# Altium PCB PCB2.PcbDoc (part 15 of 16) (continued)
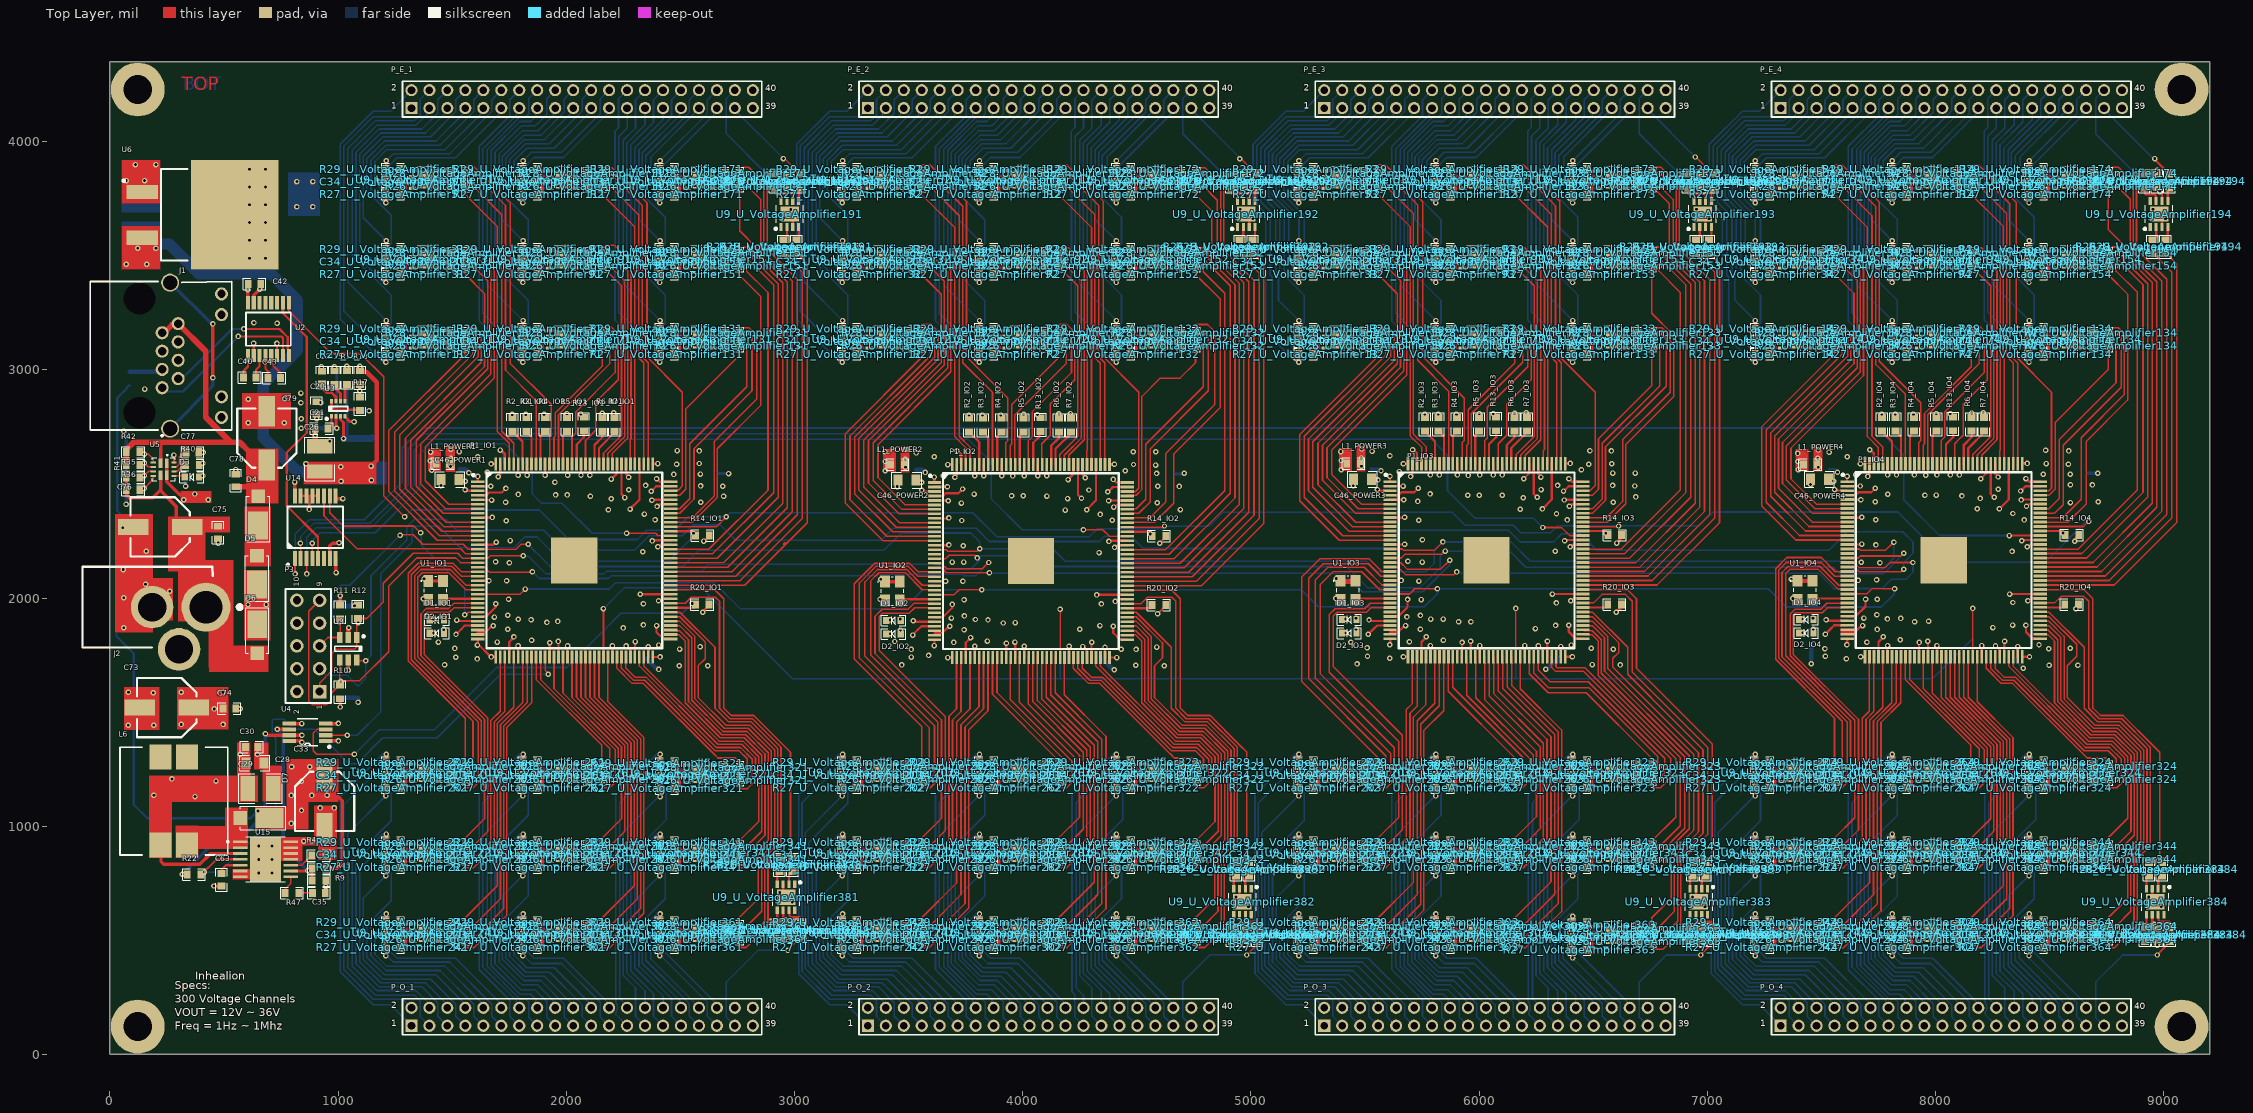
[diagram p0: Top Layer view]
## Nets (pads, with @x,y where several pads share a name; then routed paths per layer and width w, separated by ;. In a path a pad name is that pad's centre, name@x,y a point inside that pad or via, vN(x,y) a via of type N, cw(c..) or ccw(c..) an arc to the next point about the centre after c; other vN are vias at no path point) (continued)
; C34_U_VoltageAmplifier382.1@4969.95,551.98 C34_U_VoltageAmplifier382.1@4972.67,551.98 C34_U_VoltageAmplifier382.1@4969.95,551.98 ; C34_U_VoltageAmplifier192.1@4972.57,3799.2 C34_U_VoltageAmplifier192.1@4969.85,3799.2 C34_U_VoltageAmplifier192.1@4972.57,3799.2 ; C34_U_VoltageAmplifier192.1@4972.57,3799.2 v1@4992.44,3779.33 ; C34_U_VoltageAmplifier192.1@4972.57,3799.2 v1@4992.44,3779.33 ; C34_U_VoltageAmplifier243.1@5267.65,524.18 C34_U_VoltageAmplifier243.1@5267.65,526.9 ; C34_U_VoltageAmplifier243.1@5267.65,524.18 C34_U_VoltageAmplifier243.1@5267.65,526.9 ; C34_U_VoltageAmplifier243.1@5267.65,524.18 C34_U_VoltageAmplifier243.1@5267.65,526.9 ; C34_U_VoltageAmplifier243.1@5267.65,526.9 v1@5287.52,546.77 ; C34_U_VoltageAmplifier243.1@5267.65,526.9 v1@5287.52,546.77 ; C34_U_VoltageAmplifier243.1@5267.65,526.9 v1@5287.52,546.77 ; C34_U_VoltageAmplifier223.1@5267.65,874.18 C34_U_VoltageAmplifier223.1@5267.65,876.9 ; C34_U_VoltageAmplifier223.1@5267.65,874.18 C34_U_VoltageAmplifier223.1@5267.65,876.9 ; C34_U_VoltageAmplifier223.1@5267.65,874.18 C34_U_VoltageAmplifier223.1@5267.65,876.9 ; C34_U_VoltageAmplifier223.1@5267.65,876.9 v1@5287.52,896.77 ; C34_U_VoltageAmplifier223.1@5267.65,876.9 v1@5287.52,896.77 ; C34_U_VoltageAmplifier223.1@5267.65,876.9 v1@5287.52,896.77 ; C34_U_VoltageAmplifier203.1@5267.65,1224.18 C34_U_VoltageAmplifier203.1@5267.65,1226.9 ; C34_U_VoltageAmplifier203.1@5267.65,1224.18 C34_U_VoltageAmplifier203.1@5267.65,1226.9 ; C34_U_VoltageAmplifier203.1@5267.65,1224.18 C34_U_VoltageAmplifier203.1@5267.65,1226.9 ; C34_U_VoltageAmplifier203.1@5267.65,1226.9 v1@5287.52,1246.77 ; C34_U_VoltageAmplifier203.1@5267.65,1226.9 v1@5287.52,1246.77 ; C34_U_VoltageAmplifier203.1@5267.65,1226.9 v1@5287.52,1246.77 ; C34_U_VoltageAmplifier13.1@5267.65,3124.18 C34_U_VoltageAmplifier13.1@5267.65,3126.9 ; C34_U_VoltageAmplifier13.1@5267.65,3124.18 C34_U_VoltageAmplifier13.1@5267.65,3126.9 ; C34_U_VoltageAmplifier13.1@5267.65,3124.18 C34_U_VoltageAmplifier13.1@5267.65,3126.9 ; C34_U_VoltageAmplifier13.1@5267.65,3126.9 v1@5287.52,3146.77 ; C34_U_VoltageAmplifier13.1@5267.65,3126.9 v1@5287.52,3146.77 ; C34_U_VoltageAmplifier13.1@5267.65,3126.9 v1@5287.52,3146.77 ; C34_U_VoltageAmplifier33.1@5267.65,3474.18 C34_U_VoltageAmplifier33.1@5267.65,3476.9 ; C34_U_VoltageAmplifier33.1@5267.65,3474.18 C34_U_VoltageAmplifier33.1@5267.65,3476.9 ; C34_U_VoltageAmplifier33.1@5267.65,3474.18 C34_U_VoltageAmplifier33.1@5267.65,3476.9 ; C34_U_VoltageAmplifier33.1@5267.65,3476.9 v1@5287.52,3496.77 ; C34_U_VoltageAmplifier33.1@5267.65,3476.9 v1@5287.52,3496.77 ; C34_U_VoltageAmplifier33.1@5267.65,3476.9 v1@5287.52,3496.77 ; C34_U_VoltageAmplifier53.1@5267.65,3824.18 C34_U_VoltageAmplifier53.1@5267.65,3826.9 ; C34_U_VoltageAmplifier53.1@5267.65,3824.18 C34_U_VoltageAmplifier53.1@5267.65,3826.9 ; C34_U_VoltageAmplifier53.1@5267.65,3824.18 C34_U_VoltageAmplifier53.1@5267.65,3826.9 ; C34_U_VoltageAmplifier53.1@5267.65,3826.9 v1@5287.52,3846.77 ; C34_U_VoltageAmplifier53.1@5267.65,3826.9 v1@5287.52,3846.77 ; C34_U_VoltageAmplifier53.1@5267.65,3826.9 v1@5287.52,3846.77 ; C34_U_VoltageAmplifier303.1@5867.65,524.18 C34_U_VoltageAmplifier303.1@5867.65,526.9 ; C34_U_VoltageAmplifier303.1@5867.65,524.18 C34_U_VoltageAmplifier303.1@5867.65,526.9 ; C34_U_VoltageAmplifier303.1@5867.65,524.18 C34_U_VoltageAmplifier303.1@5867.65,526.9 ; C34_U_VoltageAmplifier303.1@5867.65,526.9 v1@5887.52,546.77 ; C34_U_VoltageAmplifier303.1@5867.65,526.9 v1@5887.52,546.77 ; C34_U_VoltageAmplifier303.1@5867.65,526.9 v1@5887.52,546.77 ; C34_U_VoltageAmplifier283.1@5867.65,874.18 C34_U_VoltageAmplifier283.1@5867.65,876.9 ; C34_U_VoltageAmplifier283.1@5867.65,874.18 C34_U_VoltageAmplifier283.1@5867.65,876.9 ; C34_U_VoltageAmplifier283.1@5867.65,874.18 C34_U_VoltageAmplifier283.1@5867.65,876.9 ; C34_U_VoltageAmplifier283.1@5867.65,876.9 v1@5887.52,896.77 ; C34_U_VoltageAmplifier283.1@5867.65,876.9 v1@5887.52,896.77 ; C34_U_VoltageAmplifier283.1@5867.65,876.9 v1@5887.52,896.77 ; C34_U_VoltageAmplifier263.1@5867.65,1224.18 C34_U_VoltageAmplifier263.1@5867.65,1226.9 ; C34_U_VoltageAmplifier263.1@5867.65,1224.18 C34_U_VoltageAmplifier263.1@5867.65,1226.9 ; C34_U_VoltageAmplifier263.1@5867.65,1224.18 C34_U_VoltageAmplifier263.1@5867.65,1226.9 ; C34_U_VoltageAmplifier263.1@5867.65,1226.9 v1@5887.52,1246.77 ; C34_U_VoltageAmplifier263.1@5867.65,1226.9 v1@5887.52,1246.77 ; C34_U_VoltageAmplifier263.1@5867.65,1226.9 v1@5887.52,1246.77 ; C34_U_VoltageAmplifier73.1@5867.65,3124.18 C34_U_VoltageAmplifier73.1@5867.65,3126.9 ; C34_U_VoltageAmplifier73.1@5867.65,3124.18 C34_U_VoltageAmplifier73.1@5867.65,3126.9 ; C34_U_VoltageAmplifier73.1@5867.65,3124.18 C34_U_VoltageAmplifier73.1@5867.65,3126.9 ; C34_U_VoltageAmplifier73.1@5867.65,3126.9 v1@5887.52,3146.77 ; C34_U_VoltageAmplifier73.1@5867.65,3126.9 v1@5887.52,3146.77 ; C34_U_VoltageAmplifier73.1@5867.65,3126.9 v1@5887.52,3146.77 ; C34_U_VoltageAmplifier93.1@5867.65,3474.18 C34_U_VoltageAmplifier93.1@5867.65,3476.9 ; C34_U_VoltageAmplifier93.1@5867.65,3474.18 C34_U_VoltageAmplifier93.1@5867.65,3476.9 ; C34_U_VoltageAmplifier93.1@5867.65,3474.18 C34_U_VoltageAmplifier93.1@5867.65,3476.9 ; C34_U_VoltageAmplifier93.1@5867.65,3476.9 v1@5887.52,3496.77 ; C34_U_VoltageAmplifier93.1@5867.65,3476.9 v1@5887.52,3496.77 ; C34_U_VoltageAmplifier93.1@5867.65,3476.9 v1@5887.52,3496.77 ; C34_U_VoltageAmplifier113.1@5867.65,3824.18 C34_U_VoltageAmplifier113.1@5867.65,3826.9 ; C34_U_VoltageAmplifier113.1@5867.65,3824.18 C34_U_VoltageAmplifier113.1@5867.65,3826.9 ; C34_U_VoltageAmplifier113.1@5867.65,3824.18 C34_U_VoltageAmplifier113.1@5867.65,3826.9 ; C34_U_VoltageAmplifier113.1@5867.65,3826.9 v1@5887.52,3846.77 ; C34_U_VoltageAmplifier113.1@5867.65,3826.9 v1@5887.52,3846.77 ; C34_U_VoltageAmplifier113.1@5867.65,3826.9 v1@5887.52,3846.77 ; C34_U_VoltageAmplifier363.1@6467.65,514.18 C34_U_VoltageAmplifier363.1@6467.65,516.9 ; C34_U_VoltageAmplifier363.1@6467.65,514.18 C34_U_VoltageAmplifier363.1@6467.65,516.9 ; C34_U_VoltageAmplifier363.1@6467.65,514.18 C34_U_VoltageAmplifier363.1@6467.65,516.9 ; C34_U_VoltageAmplifier363.1@6467.65,516.9 v1@6487.52,536.77 ; C34_U_VoltageAmplifier363.1@6467.65,516.9 v1@6487.52,536.77 ; C34_U_VoltageAmplifier363.1@6467.65,516.9 v1@6487.52,536.77 ; C34_U_VoltageAmplifier343.1@6467.65,874.18 C34_U_VoltageAmplifier343.1@6467.65,876.9 ; C34_U_VoltageAmplifier343.1@6467.65,874.18 C34_U_VoltageAmplifier343.1@6467.65,876.9 ; C34_U_VoltageAmplifier343.1@6467.65,874.18 C34_U_VoltageAmplifier343.1@6467.65,876.9 ; C34_U_VoltageAmplifier343.1@6467.65,876.9 v1@6487.52,896.77 ; C34_U_VoltageAmplifier343.1@6467.65,876.9 v1@6487.52,896.77 ; C34_U_VoltageAmplifier343.1@6467.65,876.9 v1@6487.52,896.77 ; C34_U_VoltageAmplifier323.1@6467.65,1224.18 C34_U_VoltageAmplifier323.1@6467.65,1226.9 ; C34_U_VoltageAmplifier323.1@6467.65,1224.18 C34_U_VoltageAmplifier323.1@6467.65,1226.9 ; C34_U_VoltageAmplifier323.1@6467.65,1224.18 C34_U_VoltageAmplifier323.1@6467.65,1226.9 ; C34_U_VoltageAmplifier323.1@6467.65,1226.9 v1@6487.52,1246.77 ; C34_U_VoltageAmplifier323.1@6467.65,1226.9 v1@6487.52,1246.77 ; C34_U_VoltageAmplifier323.1@6467.65,1226.9 v1@6487.52,1246.77 ; C34_U_VoltageAmplifier133.1@6467.65,3124.18 C34_U_VoltageAmplifier133.1@6467.65,3126.9 ; C34_U_VoltageAmplifier133.1@6467.65,3124.18 C34_U_VoltageAmplifier133.1@6467.65,3126.9 ; C34_U_VoltageAmplifier133.1@6467.65,3124.18 C34_U_VoltageAmplifier133.1@6467.65,3126.9 ; C34_U_VoltageAmplifier133.1@6467.65,3126.9 v1@6487.52,3146.77 ; C34_U_VoltageAmplifier133.1@6467.65,3126.9 v1@6487.52,3146.77 ; C34_U_VoltageAmplifier133.1@6467.65,3126.9 v1@6487.52,3146.77 ; C34_U_VoltageAmplifier153.1@6467.65,3474.18 C34_U_VoltageAmplifier153.1@6467.65,3476.9 ; C34_U_VoltageAmplifier153.1@6467.65,3474.18 C34_U_VoltageAmplifier153.1@6467.65,3476.9 ; C34_U_VoltageAmplifier153.1@6467.65,3474.18 C34_U_VoltageAmplifier153.1@6467.65,3476.9 ; C34_U_VoltageAmplifier153.1@6467.65,3476.9 v1@6487.52,3496.77 ; C34_U_VoltageAmplifier153.1@6467.65,3476.9 v1@6487.52,3496.77 ; C34_U_VoltageAmplifier153.1@6467.65,3476.9 v1@6487.52,3496.77 ; C34_U_VoltageAmplifier173.1@6467.65,3824.18 C34_U_VoltageAmplifier173.1@6467.65,3826.9 ; C34_U_VoltageAmplifier173.1@6467.65,3824.18 C34_U_VoltageAmplifier173.1@6467.65,3826.9 ; C34_U_VoltageAmplifier173.1@6467.65,3824.18 C34_U_VoltageAmplifier173.1@6467.65,3826.9 ; C34_U_VoltageAmplifier173.1@6467.65,3826.9 v1@6487.52,3846.77 ; C34_U_VoltageAmplifier173.1@6467.65,3826.9 v1@6487.52,3846.77 ; C34_U_VoltageAmplifier173.1@6467.65,3826.9 v1@6487.52,3846.77 ; v1@6950.08,571.85 C34_U_VoltageAmplifier383.1@6969.95,551.98 ; v1@6950.08,571.85 C34_U_VoltageAmplifier383.1@6969.95,551.98 ; C34_U_VoltageAmplifier383.1@6969.95,551.98 C34_U_VoltageAmplifier383.1@6972.67,551.98 C34_U_VoltageAmplifier383.1@6969.95,551.98 ; C34_U_VoltageAmplifier193.1@6972.57,3799.2 v1@6992.44,3779.33 ; C34_U_VoltageAmplifier193.1@6972.57,3799.2 v1@6992.44,3779.33 ; C34_U_VoltageAmplifier193.1@6972.57,3799.2 C34_U_VoltageAmplifier193.1@6969.85,3799.2 C34_U_VoltageAmplifier193.1@6972.57,3799.2 ; C34_U_VoltageAmplifier244.1@7267.65,524.18 C34_U_VoltageAmplifier244.1@7267.65,526.9 ; C34_U_VoltageAmplifier244.1@7267.65,524.18 C34_U_VoltageAmplifier244.1@7267.65,526.9 ; C34_U_VoltageAmplifier244.1@7267.65,524.18 C34_U_VoltageAmplifier244.1@7267.65,526.9 ; C34_U_VoltageAmplifier244.1@7267.65,526.9 v1@7287.52,546.77 ; C34_U_VoltageAmplifier244.1@7267.65,526.9 v1@7287.52,546.77 ; C34_U_VoltageAmplifier244.1@7267.65,526.9 v1@7287.52,546.77 ; C34_U_VoltageAmplifier224.1@7267.65,874.18 C34_U_VoltageAmplifier224.1@7267.65,876.9 ; C34_U_VoltageAmplifier224.1@7267.65,874.18 C34_U_VoltageAmplifier224.1@7267.65,876.9 ; C34_U_VoltageAmplifier224.1@7267.65,874.18 C34_U_VoltageAmplifier224.1@7267.65,876.9 ; C34_U_VoltageAmplifier224.1@7267.65,876.9 v1@7287.52,896.77 ; C34_U_VoltageAmplifier224.1@7267.65,876.9 v1@7287.52,896.77 ; C34_U_VoltageAmplifier224.1@7267.65,876.9 v1@7287.52,896.77 ; C34_U_VoltageAmplifier204.1@7267.65,1224.18 C34_U_VoltageAmplifier204.1@7267.65,1226.9 ; C34_U_VoltageAmplifier204.1@7267.65,1224.18 C34_U_VoltageAmplifier204.1@7267.65,1226.9 ; C34_U_VoltageAmplifier204.1@7267.65,1224.18 C34_U_VoltageAmplifier204.1@7267.65,1226.9 ; C34_U_VoltageAmplifier204.1@7267.65,1226.9 v1@7287.52,1246.77 ; C34_U_VoltageAmplifier204.1@7267.65,1226.9 v1@7287.52,1246.77 ; C34_U_VoltageAmplifier204.1@7267.65,1226.9 v1@7287.52,1246.77 ; C34_U_VoltageAmplifier14.1@7267.65,3124.18 C34_U_VoltageAmplifier14.1@7267.65,3126.9 ; C34_U_VoltageAmplifier14.1@7267.65,3124.18 C34_U_VoltageAmplifier14.1@7267.65,3126.9 ; C34_U_VoltageAmplifier14.1@7267.65,3124.18 C34_U_VoltageAmplifier14.1@7267.65,3126.9 ; C34_U_VoltageAmplifier14.1@7267.65,3126.9 v1@7287.52,3146.77 ; C34_U_VoltageAmplifier14.1@7267.65,3126.9 v1@7287.52,3146.77 ; C34_U_VoltageAmplifier14.1@7267.65,3126.9 v1@7287.52,3146.77 ; C34_U_VoltageAmplifier34.1@7267.65,3474.18 C34_U_VoltageAmplifier34.1@7267.65,3476.9 ; C34_U_VoltageAmplifier34.1@7267.65,3474.18 C34_U_VoltageAmplifier34.1@7267.65,3476.9 ; C34_U_VoltageAmplifier34.1@7267.65,3474.18 C34_U_VoltageAmplifier34.1@7267.65,3476.9 ; C34_U_VoltageAmplifier34.1@7267.65,3476.9 v1@7287.52,3496.77 ; C34_U_VoltageAmplifier34.1@7267.65,3476.9 v1@7287.52,3496.77 ; C34_U_VoltageAmplifier34.1@7267.65,3476.9 v1@7287.52,3496.77 ; C34_U_VoltageAmplifier54.1@7267.65,3824.18 C34_U_VoltageAmplifier54.1@7267.65,3826.9 ; C34_U_VoltageAmplifier54.1@7267.65,3824.18 C34_U_VoltageAmplifier54.1@7267.65,3826.9 ; C34_U_VoltageAmplifier54.1@7267.65,3824.18 C34_U_VoltageAmplifier54.1@7267.65,3826.9 ; C34_U_VoltageAmplifier54.1@7267.65,3826.9 v1@7287.52,3846.77 ; C34_U_VoltageAmplifier54.1@7267.65,3826.9 v1@7287.52,3846.77 ; C34_U_VoltageAmplifier54.1@7267.65,3826.9 v1@7287.52,3846.77 ; C34_U_VoltageAmplifier304.1@7867.65,524.18 C34_U_VoltageAmplifier304.1@7867.65,526.9 ; C34_U_VoltageAmplifier304.1@7867.65,524.18 C34_U_VoltageAmplifier304.1@7867.65,526.9 ; C34_U_VoltageAmplifier304.1@7867.65,524.18 C34_U_VoltageAmplifier304.1@7867.65,526.9 ; C34_U_VoltageAmplifier304.1@7867.65,526.9 v1@7887.52,546.77 ; C34_U_VoltageAmplifier304.1@7867.65,526.9 v1@7887.52,546.77 ; C34_U_VoltageAmplifier304.1@7867.65,526.9 v1@7887.52,546.77 ; C34_U_VoltageAmplifier284.1@7867.65,874.18 C34_U_VoltageAmplifier284.1@7867.65,876.9 ; C34_U_VoltageAmplifier284.1@7867.65,874.18 C34_U_VoltageAmplifier284.1@7867.65,876.9 ; C34_U_VoltageAmplifier284.1@7867.65,874.18 C34_U_VoltageAmplifier284.1@7867.65,876.9 ; C34_U_VoltageAmplifier284.1@7867.65,876.9 v1@7887.52,896.77 ; C34_U_VoltageAmplifier284.1@7867.65,876.9 v1@7887.52,896.77 ; C34_U_VoltageAmplifier284.1@7867.65,876.9 v1@7887.52,896.77 ; C34_U_VoltageAmplifier264.1@7867.65,1224.18 C34_U_VoltageAmplifier264.1@7867.65,1226.9 ; C34_U_VoltageAmplifier264.1@7867.65,1224.18 C34_U_VoltageAmplifier264.1@7867.65,1226.9 ; C34_U_VoltageAmplifier264.1@7867.65,1224.18 C34_U_VoltageAmplifier264.1@7867.65,1226.9 ; C34_U_VoltageAmplifier264.1@7867.65,1226.9 v1@7887.52,1246.77 ; C34_U_VoltageAmplifier264.1@7867.65,1226.9 v1@7887.52,1246.77 ; C34_U_VoltageAmplifier264.1@7867.65,1226.9 v1@7887.52,1246.77 ; C34_U_VoltageAmplifier74.1@7867.65,3124.18 C34_U_VoltageAmplifier74.1@7867.65,3126.9 ; C34_U_VoltageAmplifier74.1@7867.65,3124.18 C34_U_VoltageAmplifier74.1@7867.65,3126.9 ; C34_U_VoltageAmplifier74.1@7867.65,3124.18 C34_U_VoltageAmplifier74.1@7867.65,3126.9 ; C34_U_VoltageAmplifier74.1@7867.65,3126.9 v1@7887.52,3146.77 ; C34_U_VoltageAmplifier74.1@7867.65,3126.9 v1@7887.52,3146.77 ; C34_U_VoltageAmplifier74.1@7867.65,3126.9 v1@7887.52,3146.77 ; C34_U_VoltageAmplifier94.1@7867.65,3474.18 C34_U_VoltageAmplifier94.1@7867.65,3476.9 ; C34_U_VoltageAmplifier94.1@7867.65,3474.18 C34_U_VoltageAmplifier94.1@7867.65,3476.9 ; C34_U_VoltageAmplifier94.1@7867.65,3474.18 C34_U_VoltageAmplifier94.1@7867.65,3476.9 ; C34_U_VoltageAmplifier94.1@7867.65,3476.9 v1@7887.52,3496.77 ; C34_U_VoltageAmplifier94.1@7867.65,3476.9 v1@7887.52,3496.77 ; C34_U_VoltageAmplifier94.1@7867.65,3476.9 v1@7887.52,3496.77 ; C34_U_VoltageAmplifier114.1@7867.65,3824.18 C34_U_VoltageAmplifier114.1@7867.65,3826.9 ; C34_U_VoltageAmplifier114.1@7867.65,3824.18 C34_U_VoltageAmplifier114.1@7867.65,3826.9 ; C34_U_VoltageAmplifier114.1@7867.65,3824.18 C34_U_VoltageAmplifier114.1@7867.65,3826.9 ; C34_U_VoltageAmplifier114.1@7867.65,3826.9 v1@7887.52,3846.77 ; C34_U_VoltageAmplifier114.1@7867.65,3826.9 v1@7887.52,3846.77 ; C34_U_VoltageAmplifier114.1@7867.65,3826.9 v1@7887.52,3846.77 ; C34_U_VoltageAmplifier364.1@8467.65,524.18 C34_U_VoltageAmplifier364.1@8467.65,526.9 ; C34_U_VoltageAmplifier364.1@8467.65,524.18 C34_U_VoltageAmplifier364.1@8467.65,526.9 ; C34_U_VoltageAmplifier364.1@8467.65,524.18 C34_U_VoltageAmplifier364.1@8467.65,526.9 ; C34_U_VoltageAmplifier364.1@8467.65,526.9 v1@8487.52,546.77 ; C34_U_VoltageAmplifier364.1@8467.65,526.9 v1@8487.52,546.77 ; C34_U_VoltageAmplifier364.1@8467.65,526.9 v1@8487.52,546.77 ; C34_U_VoltageAmplifier344.1@8467.65,874.18 C34_U_VoltageAmplifier344.1@8467.65,876.9 ; C34_U_VoltageAmplifier344.1@8467.65,874.18 C34_U_VoltageAmplifier344.1@8467.65,876.9 ; C34_U_VoltageAmplifier344.1@8467.65,874.18 C34_U_VoltageAmplifier344.1@8467.65,876.9 ; C34_U_VoltageAmplifier344.1@8467.65,876.9 v1@8487.52,896.77 ; C34_U_VoltageAmplifier344.1@8467.65,876.9 v1@8487.52,896.77 ; C34_U_VoltageAmplifier344.1@8467.65,876.9 v1@8487.52,896.77 ; C34_U_VoltageAmplifier324.1@8467.65,1224.18 C34_U_VoltageAmplifier324.1@8467.65,1226.9 ; C34_U_VoltageAmplifier324.1@8467.65,1224.18 C34_U_VoltageAmplifier324.1@8467.65,1226.9 ; C34_U_VoltageAmplifier324.1@8467.65,1224.18 C34_U_VoltageAmplifier324.1@8467.65,1226.9 ; C34_U_VoltageAmplifier324.1@8467.65,1226.9 v1@8487.52,1246.77 ; C34_U_VoltageAmplifier324.1@8467.65,1226.9 v1@8487.52,1246.77 ; C34_U_VoltageAmplifier324.1@8467.65,1226.9 v1@8487.52,1246.77 ; C34_U_VoltageAmplifier134.1@8467.65,3124.18 C34_U_VoltageAmplifier134.1@8467.65,3126.9 ; C34_U_VoltageAmplifier134.1@8467.65,3124.18 C34_U_VoltageAmplifier134.1@8467.65,3126.9 ; C34_U_VoltageAmplifier134.1@8467.65,3124.18 C34_U_VoltageAmplifier134.1@8467.65,3126.9 ; C34_U_VoltageAmplifier134.1@8467.65,3126.9 v1@8487.52,3146.77 ; C34_U_VoltageAmplifier134.1@8467.65,3126.9 v1@8487.52,3146.77 ; C34_U_VoltageAmplifier134.1@8467.65,3126.9 v1@8487.52,3146.77 ; C34_U_VoltageAmplifier154.1@8467.65,3474.18 C34_U_VoltageAmplifier154.1@8467.65,3476.9 ; C34_U_VoltageAmplifier154.1@8467.65,3474.18 C34_U_VoltageAmplifier154.1@8467.65,3476.9 ; C34_U_VoltageAmplifier154.1@8467.65,3474.18 C34_U_VoltageAmplifier154.1@8467.65,3476.9 ; C34_U_VoltageAmplifier154.1@8467.65,3476.9 v1@8487.52,3496.77 ; C34_U_VoltageAmplifier154.1@8467.65,3476.9 v1@8487.52,3496.77 ; C34_U_VoltageAmplifier154.1@8467.65,3476.9 v1@8487.52,3496.77 ; C34_U_VoltageAmplifier174.1@8467.65,3824.18 C34_U_VoltageAmplifier174.1@8467.65,3826.9 ; C34_U_VoltageAmplifier174.1@8467.65,3824.18 C34_U_VoltageAmplifier174.1@8467.65,3826.9 ; C34_U_VoltageAmplifier174.1@8467.65,3824.18 C34_U_VoltageAmplifier174.1@8467.65,3826.9 ; C34_U_VoltageAmplifier174.1@8467.65,3826.9 v1@8487.52,3846.77 ; C34_U_VoltageAmplifier174.1@8467.65,3826.9 v1@8487.52,3846.77 ; C34_U_VoltageAmplifier174.1@8467.65,3826.9 v1@8487.52,3846.77 ; v1@8950.08,571.85 C34_U_VoltageAmplifier384.1@8969.95,551.98 ; v1@8950.08,571.85 C34_U_VoltageAmplifier384.1@8969.95,551.98 ; C34_U_VoltageAmplifier384.1@8969.95,551.98 C34_U_VoltageAmplifier384.1@8972.67,551.98 C34_U_VoltageAmplifier384.1@8969.95,551.98 ; C34_U_VoltageAmplifier194.1@8972.57,3799.2 v1@8992.44,3779.33 ; C34_U_VoltageAmplifier194.1@8972.57,3799.2 v1@8992.44,3779.33 ; C34_U_VoltageAmplifier194.1@8972.57,3799.2 C34_U_VoltageAmplifier194.1@8969.85,3799.2 C34_U_VoltageAmplifier194.1@8972.57,3799.2
  Top Layer w15: R45.1@945.76,815.66 996.43,815.66 1017.76,836.99 1017.76,1111.99 994.76,1134.99